# KiCad board fpga.kicad_pcb (continued)
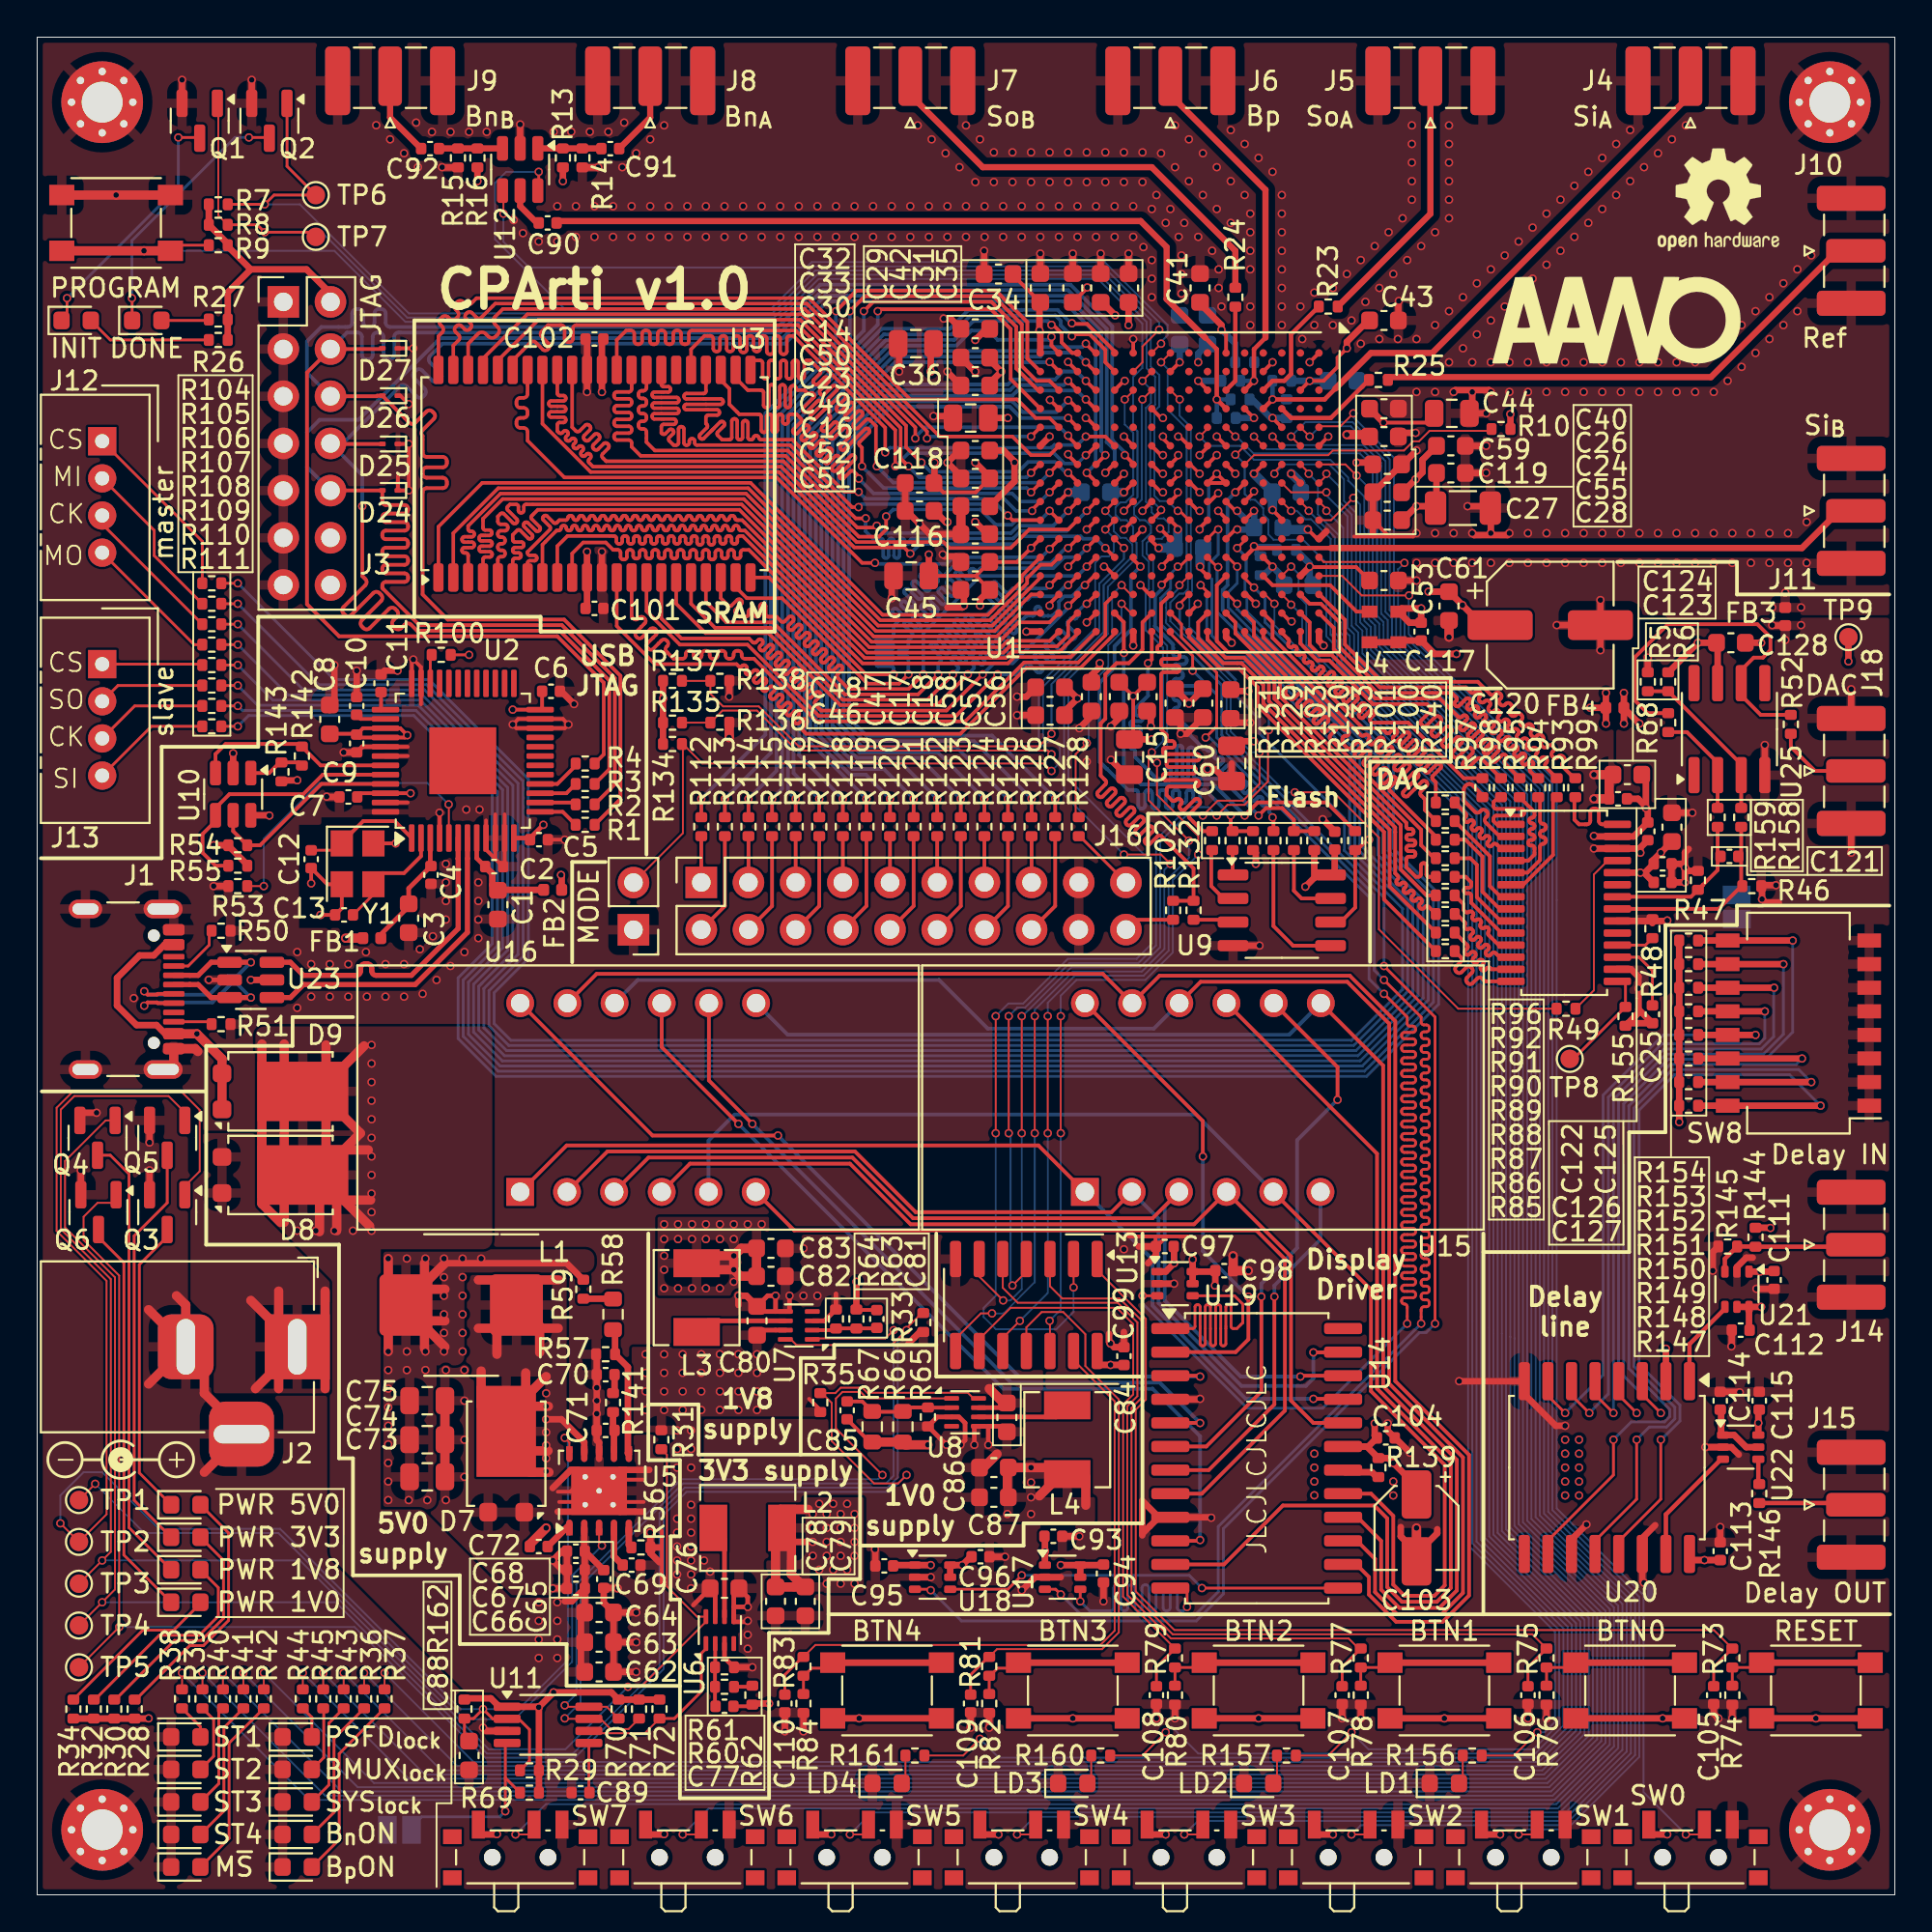
[diagram p0: board, top side]
## Routing (per net, layer and track width the routed paths; a pad name or vN(x,y) marks a point on that pad's centre or on a via; arc(x,y) is an arc through that point) (continued)
DAC_D2: length 22.9
  Top w0.199: R87.1 74.9,53.19 arc(74.81,53.23) 74.73,53.2 74.63,53.1 arc(74.55,53.07) 74.46,53.1 74.42,53.15 arc(74.39,53.23) 74.42,53.32 74.51,53.41 arc(74.55,53.49) 74.51,53.58 74.47,53.62 arc(74.39,53.65) 74.3,53.62 74.21,53.53 arc(74.13,53.49) 74.04,53.53 74,53.57 arc(73.96,53.65) 74,53.74 74.09,53.83 arc(74.13,53.91) 74.09,54 74.05,54.04 arc(73.96,54.08) 73.88,54.04 73.79,53.95 arc(73.7,53.92) 73.62,53.95 73.58,53.99 arc(73.54,54.08) 73.58,54.16 73.67,54.25 arc(73.7,54.34) 73.67,54.42 73.62,54.47 arc(73.54,54.5) 73.46,54.47 73.4,54.41 arc(73.31,54.37) 73.23,54.41 73.19,54.45 arc(73.15,54.54) 73.19,54.62 73.24,54.68 arc(73.28,54.76) 73.24,54.85 73.1,54.99 73.1,57.46 66.3,64.26 66.3,65.26 64.96,66.6 63.97,66.6 63,67.56 U1.G16
DAC_D3: length 23.2
  Top w0.199: U1.F13 63.5,70.5 63.5,67.49 64.09,66.9 65.09,66.9 66.6,65.38 66.6,64.39 73.4,57.59 73.4,55.2 74.8,53.8 R88.1
DAC_D4: length 22.9
  Top w0.199: U1.F15 64.5,68.5 64.5,67.9 64.51,67.9 66.9,65.51 66.9,64.51 73.7,57.71 73.7,57.5 arc(73.74,57.42) 73.82,57.38 73.97,57.38 arc(74.06,57.35) 74.09,57.26 74.09,57.2 arc(74.06,57.12) 73.97,57.08 73.82,57.08 arc(73.74,57.05) 73.7,56.96 73.7,56.9 arc(73.74,56.82) 73.82,56.78 74.07,56.78 arc(74.16,56.75) 74.19,56.66 74.19,56.6 arc(74.16,56.52) 74.07,56.48 73.82,56.48 arc(73.74,56.45) 73.7,56.36 73.7,56.3 arc(73.74,56.22) 73.82,56.18 74.07,56.18 arc(74.16,56.15) 74.19,56.06 74.19,56 arc(74.16,55.92) 74.07,55.88 73.82,55.88 arc(73.74,55.85) 73.7,55.76 73.7,55.32 74.22,54.8 74.37,54.8 arc(74.45,54.84) 74.49,54.92 74.49,55.42 arc(74.52,55.5) 74.6,55.54 74.66,55.54 arc(74.75,55.5) 74.78,55.42 74.78,54.92 arc(74.82,54.84) 74.9,54.8 R89.1
DAC_D5: length 22.9
  Top w0.199: U1.E16 65,67.84 67.2,65.64 67.2,65.45 arc(67.24,65.37) 67.32,65.33 67.43,65.33 arc(67.51,65.29) 67.55,65.21 67.55,65.14 arc(67.51,65.06) 67.43,65.02 67.32,65.02 arc(67.24,64.98) 67.2,64.9 67.2,64.63 67.46,64.38 arc(67.54,64.34) 67.63,64.38 67.95,64.7 arc(68.04,64.73) 68.13,64.7 68.17,64.65 arc(68.21,64.57) 68.17,64.48 67.85,64.16 arc(67.81,64.07) 67.85,63.98 67.89,63.94 arc(67.98,63.9) 68.07,63.94 68.39,64.26 arc(68.48,64.3) 68.56,64.26 68.61,64.22 arc(68.64,64.13) 68.61,64.04 68.29,63.72 arc(68.25,63.63) 68.29,63.55 68.33,63.5 arc(68.42,63.47) 68.51,63.5 68.83,63.82 arc(68.91,63.86) 69,63.82 69.05,63.78 arc(69.08,63.69) 69.05,63.6 68.73,63.28 arc(68.69,63.2) 68.73,63.11 68.77,63.06 arc(68.86,63.03) 68.95,63.06 69.26,63.38 arc(69.35,63.42) 69.44,63.38 69.48,63.34 arc(69.52,63.25) 69.48,63.16 69.17,62.84 arc(69.13,62.76) 69.17,62.67 69.21,62.63 arc(69.3,62.59) 69.38,62.63 69.7,62.94 arc(69.79,62.98) 69.88,62.94 69.92,62.9 arc(69.96,62.81) 69.92,62.73 69.6,62.41 arc(69.57,62.32) 69.6,62.23 74.5,57.33 74.5,56.5 75.2,55.8 R90.1
DAC_D6: length 22.8
  Top w0.199: R91.1 75.29,56.97 72.82,59.44 arc(72.78,59.53) 72.82,59.63 73.13,59.93 arc(73.17,60.03) 73.13,60.12 73.08,60.17 arc(72.99,60.21) 72.89,60.17 72.59,59.86 arc(72.49,59.82) 72.4,59.86 72.35,59.91 arc(72.31,60) 72.35,60.09 72.66,60.4 arc(72.7,60.49) 72.66,60.59 72.61,60.63 arc(72.52,60.67) 72.43,60.63 72.12,60.33 arc(72.03,60.29) 71.93,60.33 71.89,60.37 arc(71.85,60.47) 71.89,60.56 72.19,60.87 arc(72.23,60.96) 72.19,61.05 72.15,61.1 arc(72.05,61.14) 71.96,61.1 71.65,60.79 arc(71.56,60.75) 71.47,60.79 71.42,60.84 arc(71.38,60.93) 71.42,61.03 71.73,61.33 arc(71.77,61.43) 71.73,61.52 71.68,61.57 arc(71.59,61.61) 71.49,61.57 71.19,61.26 arc(71.09,61.22) 71,61.26 70.95,61.31 arc(70.91,61.4) 70.95,61.49 71.26,61.8 arc(71.3,61.89) 71.26,61.99 71.21,62.03 arc(71.12,62.07) 71.03,62.03 70.72,61.73 arc(70.63,61.69) 70.53,61.73 70.26,61.99 70.26,62.25 arc(70.3,62.35) 70.4,62.39 70.48,62.39 arc(70.57,62.43) 70.61,62.52 70.61,62.58 arc(70.57,62.68) 70.48,62.72 70.4,62.72 arc(70.3,62.76) 70.26,62.85 70.26,63 65.5,67.76 65.5,68.5 U1.E15
DAC_D7: length 22.9
  Top w0.199: U1.D16 66,67.68 71.26,62.42 arc(71.35,62.38) 71.45,62.42 71.45,62.42 arc(71.54,62.46) 71.63,62.42 71.68,62.38 arc(71.72,62.28) 71.68,62.19 arc(71.64,62.1) 71.68,62 71.73,61.96 arc(71.82,61.92) 71.91,61.96 72.23,62.27 arc(72.33,62.31) 72.42,62.27 72.47,62.23 arc(72.5,62.13) 72.47,62.04 72.15,61.72 arc(72.11,61.63) 72.15,61.54 72.19,61.49 arc(72.29,61.45) 72.38,61.49 72.7,61.81 arc(72.79,61.85) 72.89,61.81 72.93,61.76 arc(72.97,61.67) 72.93,61.57 72.61,61.26 arc(72.57,61.16) 72.61,61.07 72.66,61.02 arc(72.75,60.98) 72.85,61.02 73.17,61.34 arc(73.26,61.38) 73.35,61.34 73.4,61.29 arc(73.44,61.2) 73.4,61.11 73.08,60.79 arc(73.04,60.7) 73.08,60.6 73.13,60.56 arc(73.22,60.52) 73.31,60.56 73.63,60.87 arc(73.73,60.91) 73.82,60.87 73.87,60.83 arc(73.9,60.73) 73.87,60.64 73.55,60.32 arc(73.51,60.23) 73.55,60.14 73.59,60.09 arc(73.69,60.05) 73.78,60.09 74.1,60.41 arc(74.19,60.45) 74.29,60.41 74.33,60.36 arc(74.37,60.27) 74.33,60.17 73.54,59.39 arc(73.5,59.29) 73.54,59.2 73.59,59.15 arc(73.68,59.11) 73.78,59.15 74.57,59.94 arc(74.66,59.98) 74.75,59.94 74.8,59.89 arc(74.84,59.8) 74.8,59.71 74.48,59.39 arc(74.44,59.3) 74.48,59.2 74.7,58.98 74.7,58.4 75.29,57.81 R92.1
DAC_D8: length 22.3
  Top w0.199: R93.1 81.2,60.7 arc(81.16,60.81) 81.2,60.91 81.25,60.95 arc(81.29,61.05) 81.25,61.16 81.2,61.21 arc(81.1,61.25) 80.99,61.21 80.95,61.16 arc(80.85,61.12) 80.75,61.16 80.7,61.21 arc(80.65,61.32) 80.7,61.42 80.74,61.46 arc(80.78,61.56) 80.74,61.67 80.69,61.72 arc(80.59,61.76) 80.49,61.72 80.44,61.67 arc(80.34,61.63) 80.24,61.67 80.19,61.72 arc(80.14,61.83) 80.19,61.93 80.23,61.97 arc(80.27,62.07) 80.23,62.17 80.18,62.23 arc(80.08,62.27) 79.98,62.23 79.93,62.18 arc(79.83,62.14) 79.73,62.18 79.68,62.23 arc(79.64,62.33) 79.68,62.44 79.72,62.48 arc(79.76,62.58) 79.72,62.68 79.67,62.73 arc(79.57,62.78) 79.47,62.73 79.42,62.69 arc(79.32,62.65) 79.22,62.69 79.17,62.74 arc(79.13,62.84) 79.17,62.95 79.21,62.99 arc(79.25,63.09) 79.21,63.19 79.16,63.24 arc(79.06,63.29) 78.96,63.24 78.91,63.2 arc(78.81,63.16) 78.71,63.2 78.66,63.25 arc(78.62,63.35) 78.66,63.45 78.7,63.5 arc(78.75,63.6) 78.7,63.7 78.65,63.75 arc(78.55,63.79) 78.45,63.75 78.4,63.71 arc(78.3,63.67) 78.2,63.71 78.15,63.76 arc(78.11,63.86) 78.15,63.96 78.19,64.01 arc(78.24,64.11) 78.19,64.21 78.14,64.26 arc(78.04,64.3) 77.94,64.26 77.9,64.22 arc(77.79,64.18) 77.69,64.22 77.64,64.27 arc(77.6,64.37) 77.64,64.47 77.69,64.52 arc(77.73,64.62) 77.69,64.72 77.63,64.77 arc(77.53,64.81) 77.43,64.77 77.39,64.73 arc(77.28,64.68) 77.18,64.73 76.91,65 72.28,65 70.1,67.18 70.1,68.5 69.1,69.5 68.5,69.5 U1.B14
DAC_D9: length 22.9
  Top w0.199: U1.A15 69.8,68.2 69.8,67.05 72.15,64.7 76.15,64.7 76.39,64.46 arc(76.43,64.37) 76.39,64.29 76.32,64.21 arc(76.29,64.13) 76.32,64.05 76.37,64 arc(76.45,63.97) 76.54,64 76.92,64.39 arc(77,64.42) 77.09,64.39 77.13,64.34 arc(77.16,64.26) 77.13,64.17 76.99,64.03 arc(76.95,63.95) 76.99,63.86 77.03,63.82 arc(77.11,63.78) 77.2,63.82 77.34,63.96 arc(77.43,64) 77.51,63.96 77.55,63.92 arc(77.59,63.83) 77.55,63.75 77.41,63.61 arc(77.38,63.52) 77.41,63.44 77.45,63.4 arc(77.54,63.36) 77.62,63.4 77.76,63.54 arc(77.85,63.57) 77.93,63.54 77.98,63.5 arc(78.01,63.41) 77.98,63.33 77.83,63.18 arc(77.8,63.1) 77.83,63.02 77.88,62.97 arc(77.96,62.94) 78.05,62.97 78.19,63.11 arc(78.27,63.15) 78.36,63.11 78.4,63.07 arc(78.43,62.99) 78.4,62.9 78.26,62.76 arc(78.22,62.68) 78.26,62.59 78.3,62.55 arc(78.38,62.51) 78.47,62.55 78.61,62.69 arc(78.7,62.73) 78.78,62.69 78.82,62.65 arc(78.86,62.56) 78.82,62.48 78.68,62.34 arc(78.65,62.25) 78.68,62.17 78.72,62.13 arc(78.81,62.09) 78.89,62.13 79.07,62.3 arc(79.15,62.34) 79.24,62.3 79.28,62.26 arc(79.32,62.18) 79.28,62.09 79.1,61.91 arc(79.07,61.83) 79.1,61.75 79.15,61.7 arc(79.23,61.67) 79.32,61.7 79.46,61.84 arc(79.54,61.88) 79.63,61.84 79.67,61.8 arc(79.71,61.72) 79.67,61.63 79.53,61.49 arc(79.49,61.41) 79.53,61.32 79.57,61.28 arc(79.66,61.24) 79.74,61.28 79.88,61.42 arc(79.97,61.46) 80.05,61.42 80.09,61.38 arc(80.13,61.29) 80.09,61.21 79.95,61.07 arc(79.92,60.98) 79.95,60.9 79.99,60.86 arc(80.08,60.82) 80.16,60.86 80.31,61 arc(80.39,61.03) 80.47,61 80.52,60.96 arc(80.55,60.87) 80.52,60.79 80.38,60.64 arc(80.34,60.56) 80.38,60.47 80.74,60.11 R94.1
DAC_D10: length 22.9
  Top w0.199: U1.B15 68.5,68.5 68.5,67.29 69.04,66.75 69.68,66.75 72.03,64.4 75.51,64.4 76.51,63.4 arc(76.59,63.37) 76.68,63.4 76.75,63.47 arc(76.83,63.51) 76.92,63.47 76.96,63.43 arc(76.99,63.35) 76.96,63.26 76.61,62.92 arc(76.58,62.83) 76.61,62.75 76.66,62.71 arc(76.74,62.67) 76.83,62.71 77.17,63.05 arc(77.25,63.08) 77.34,63.05 77.38,63.01 arc(77.42,62.92) 77.38,62.84 77.04,62.49 arc(77,62.41) 77.04,62.32 77.08,62.28 arc(77.16,62.25) 77.25,62.28 77.59,62.63 arc(77.68,62.66) 77.76,62.63 77.8,62.58 arc(77.84,62.5) 77.8,62.41 77.46,62.07 arc(77.43,61.99) 77.46,61.9 77.5,61.86 arc(77.59,61.82) 77.67,61.86 78.02,62.2 arc(78.1,62.24) 78.19,62.2 78.23,62.16 arc(78.26,62.08) 78.23,61.99 77.88,61.65 arc(77.85,61.56) 77.88,61.48 77.93,61.43 arc(78.01,61.4) 78.1,61.43 78.44,61.78 arc(78.52,61.81) 78.61,61.78 78.65,61.74 arc(78.69,61.65) 78.65,61.57 78.31,61.22 arc(78.27,61.14) 78.31,61.05 78.35,61.01 arc(78.43,60.98) 78.52,61.01 78.86,61.36 arc(78.95,61.39) 79.03,61.36 79.07,61.31 arc(79.11,61.23) 79.07,61.14 79,61.07 arc(78.97,60.99) 79,60.91 R95.1
DAC_D11: length 22.9
  Top w0.199: R96.1 75.29,59.89 75.12,60.06 arc(75.09,60.14) 75.12,60.22 75.55,60.66 arc(75.59,60.74) 75.55,60.83 75.51,60.87 arc(75.43,60.9) 75.34,60.87 74.91,60.44 arc(74.82,60.4) 74.74,60.44 74.7,60.48 arc(74.66,60.56) 74.7,60.65 75.13,61.08 arc(75.16,61.16) 75.13,61.25 75.09,61.29 arc(75,61.33) 74.92,61.29 74.49,60.86 arc(74.4,60.82) 74.32,60.86 74.27,60.9 arc(74.24,60.99) 74.27,61.07 74.71,61.5 arc(74.74,61.59) 74.71,61.67 74.66,61.71 arc(74.58,61.75) 74.49,61.71 74.06,61.28 arc(73.98,61.25) 73.89,61.28 73.85,61.33 arc(73.82,61.41) 73.85,61.5 74.28,61.93 arc(74.32,62.01) 74.28,62.1 74.24,62.14 arc(74.16,62.17) 74.07,62.14 73.64,61.71 arc(73.55,61.67) 73.47,61.71 73.43,61.75 arc(73.39,61.83) 73.43,61.92 73.86,62.35 arc(73.89,62.43) 73.86,62.52 73.82,62.56 arc(73.73,62.6) 73.65,62.56 73.22,62.13 arc(73.13,62.1) 73.05,62.13 73,62.17 arc(72.97,62.26) 73,62.34 73.19,62.53 arc(73.22,62.61) 73.19,62.69 73.15,62.74 arc(73.06,62.77) 72.98,62.74 72.79,62.55 arc(72.71,62.52) 72.62,62.55 72.38,62.8 71.36,62.8 66.5,67.66 66.5,68.5 U1.D15
DAC_D12: length 22.9
  Top w0.199: U1.C16 67,67.94 67.37,67.57 arc(67.4,67.49) 67.37,67.4 67.36,67.4 arc(67.33,67.31) 67.36,67.23 67.4,67.19 arc(67.49,67.15) 67.57,67.19 67.58,67.19 arc(67.66,67.23) 67.75,67.19 67.79,67.15 arc(67.83,67.07) 67.79,66.98 67.78,66.97 arc(67.75,66.89) 67.78,66.81 67.83,66.76 arc(67.91,66.73) 68,66.76 68,66.77 arc(68.09,66.8) 68.17,66.77 68.21,66.73 arc(68.25,66.64) 68.21,66.56 68.21,66.55 arc(68.17,66.47) 68.21,66.38 68.25,66.34 arc(68.33,66.3) 68.42,66.34 68.43,66.35 arc(68.51,66.38) 68.59,66.35 68.64,66.3 arc(68.67,66.22) 68.64,66.13 68.63,66.13 arc(68.6,66.04) 68.63,65.96 68.67,65.92 arc(68.76,65.88) 68.84,65.92 69.02,66.1 arc(69.11,66.13) 69.19,66.1 69.24,66.06 arc(69.27,65.97) 69.24,65.89 69.05,65.7 arc(69.02,65.62) 69.05,65.53 69.1,65.49 arc(69.18,65.46) 69.27,65.49 69.59,65.82 arc(69.67,65.85) 69.76,65.82 69.8,65.77 arc(69.84,65.69) 69.8,65.61 69.48,65.28 arc(69.44,65.2) 69.48,65.11 69.52,65.07 arc(69.6,65.03) 69.69,65.07 70.01,65.39 arc(70.1,65.43) 70.18,65.39 70.22,65.35 arc(70.26,65.27) 70.22,65.18 69.9,64.86 arc(69.87,64.77) 69.9,64.69 69.94,64.65 arc(70.03,64.61) 70.11,64.65 70.44,64.97 arc(70.52,65.01) 70.61,64.97 70.65,64.93 arc(70.68,64.84) 70.65,64.76 70.32,64.43 arc(70.29,64.35) 70.32,64.26 70.37,64.22 arc(70.45,64.19) 70.54,64.22 70.86,64.55 arc(70.94,64.58) 71.03,64.55 71.07,64.5 arc(71.11,64.42) 71.07,64.33 70.75,64.01 arc(70.71,63.93) 70.75,63.84 70.79,63.8 arc(70.87,63.76) 70.96,63.8 71.28,64.12 arc(71.37,64.16) 71.45,64.12 71.5,64.08 arc(71.53,64) 71.5,63.91 71.17,63.59 arc(71.14,63.5) 71.17,63.42 71.21,63.38 arc(71.3,63.34) 71.38,63.38 71.74,63.74 arc(71.83,63.77) 71.91,63.74 71.95,63.69 arc(71.99,63.61) 71.95,63.52 71.77,63.34 arc(71.74,63.26) 71.77,63.17 71.84,63.1 73.8,63.1 76.79,60.11 R97.1
DAC_D13: length 22.9
  Top w0.199: U1.B16 68,67.36 68.92,66.45 69.56,66.45 71.91,64.1 74.81,64.1 74.98,63.93 arc(75.03,63.81) 74.98,63.7 74.51,63.23 arc(74.47,63.12) 74.51,63.01 74.57,62.95 arc(74.68,62.9) 74.8,62.95 75.27,63.42 arc(75.38,63.46) 75.49,63.42 75.55,63.36 arc(75.6,63.25) 75.55,63.13 75.08,62.67 arc(75.03,62.55) 75.08,62.44 75.14,62.38 arc(75.25,62.34) 75.36,62.38 75.83,62.85 arc(75.94,62.9) 76.06,62.85 76.11,62.8 arc(76.16,62.68) 76.11,62.57 75.65,62.1 arc(75.6,61.99) 75.65,61.87 75.7,61.82 arc(75.82,61.77) 75.93,61.82 76.4,62.29 arc(76.51,62.33) 76.62,62.29 76.68,62.23 arc(76.73,62.12) 76.68,62 76.21,61.53 arc(76.16,61.42) 76.21,61.31 76.27,61.25 arc(76.38,61.2) 76.49,61.25 76.96,61.72 arc(77.08,61.77) 77.19,61.72 77.25,61.66 arc(77.29,61.55) 77.25,61.44 76.78,60.97 arc(76.73,60.86) 76.78,60.74 76.83,60.69 arc(76.95,60.64) 77.06,60.69 77.53,61.16 arc(77.64,61.2) 77.75,61.16 R98.1
DAC_MODE: length 37.2
  Top w0.1: v1(67.7,59.35) 69.79,59.35 71.89,57.25 72.23,56.91 72.23,51.97 76.5,47.7 R49.1 ; U1.H13 61.99,71 v1(61.49,70.5)
  Bottom w0.1: 60.77,68.6 60.77,68.53 ; 60.77,68.6 60.77,68.47 64.02,65.22 64.02,62.53 67.2,59.35 v1(67.7,59.35) ; 60.77,68.6 60.77,69.66 61.49,70.38 v1(61.49,70.5)
FPGA_CFG_CS: length 29.6
  Top w0.199: R103.1 R129.1 64.25,57.36 v1(64.25,58.1) ; U1.L12 59,71.89 v1(59.39,71.5)
  Bottom w0.199: v1(64.25,58.1) 62.87,59.48 62.75,59.48 arc(62.65,59.43) 62.6,59.33 62.6,59.03 arc(62.56,58.92) 62.45,58.88 62.38,58.88 arc(62.28,58.92) 62.23,59.03 62.23,59.33 arc(62.19,59.43) 62.08,59.48 62.01,59.48 arc(61.91,59.43) 61.86,59.33 61.86,58.93 arc(61.82,58.82) 61.71,58.78 61.64,58.78 arc(61.54,58.82) 61.49,58.93 61.49,59.33 arc(61.45,59.43) 61.34,59.48 61.27,59.48 arc(61.17,59.43) 61.12,59.33 61.12,58.63 arc(61.08,58.52) 60.97,58.48 60.9,58.48 arc(60.8,58.52) 60.75,58.63 60.75,59.33 arc(60.71,59.43) 60.6,59.48 60.53,59.48 arc(60.43,59.43) 60.38,59.33 60.38,58.63 arc(60.34,58.52) 60.23,58.48 60.16,58.48 arc(60.06,58.52) 60.01,58.63 60.01,59.33 arc(59.97,59.43) 59.86,59.48 59.79,59.48 arc(59.69,59.43) 59.64,59.33 59.64,58.63 arc(59.6,58.52) 59.49,58.48 59.42,58.48 arc(59.32,58.52) 59.27,58.63 59.27,59.33 arc(59.23,59.43) 59.12,59.48 58.72,59.48 57.6,60.6 57.59,60.6 57.2,60.99 57.2,65.27 58,66.06 58,67.21 58.88,68.1 58.88,70.99 v1(59.39,71.5)
FPGA_CFG_D0: length 27.1
  Top w0.199: v1(60.53,70.52) 61,70.99 U1.J13 ; v1(66.5,58) 66.55,57.95 R130.1
  Bottom w0.199: v1(66.5,58) 66.5,58.1 66.34,58.26 arc(66.31,58.34) 66.34,58.43 66.36,58.45 arc(66.4,58.53) 66.36,58.62 66.32,58.66 arc(66.24,58.69) 66.15,58.66 66.13,58.64 arc(66.04,58.6) 65.96,58.64 65.92,58.68 arc(65.88,58.76) 65.92,58.85 65.94,58.87 arc(65.97,58.96) 65.94,59.04 65.9,59.08 arc(65.81,59.12) 65.73,59.08 65.54,58.9 arc(65.47,58.87) 65.39,58.9 65.33,58.95 arc(65.3,59.03) 65.33,59.11 65.52,59.29 arc(65.55,59.38) 65.52,59.46 65.47,59.51 arc(65.39,59.54) 65.3,59.51 65.12,59.32 arc(65.04,59.29) 64.96,59.32 64.91,59.38 arc(64.88,59.46) 64.91,59.53 65.09,59.72 arc(65.13,59.8) 65.09,59.89 65.05,59.93 arc(64.97,59.96) 64.88,59.93 64.7,59.75 arc(64.62,59.71) 64.54,59.75 64.48,59.8 arc(64.45,59.88) 64.48,59.96 64.67,60.14 arc(64.7,60.23) 64.67,60.31 64.63,60.35 arc(64.54,60.39) 64.46,60.35 64.27,60.17 arc(64.2,60.14) 64.12,60.17 64.06,60.22 arc(64.03,60.3) 64.06,60.38 64.25,60.56 arc(64.28,60.65) 64.25,60.73 64.2,60.78 arc(64.12,60.81) 64.03,60.78 63.79,60.53 arc(63.7,60.49) 63.62,60.53 63.57,60.57 arc(63.54,60.66) 63.57,60.74 63.82,60.99 arc(63.86,61.07) 63.82,61.16 63.78,61.2 arc(63.7,61.23) 63.61,61.2 63.59,61.18 arc(63.5,61.14) 63.42,61.18 63.38,61.22 arc(63.34,61.31) 63.38,61.39 63.4,61.41 arc(63.43,61.5) 63.4,61.58 63.36,61.62 arc(63.27,61.66) 63.19,61.62 63.17,61.6 arc(63.08,61.57) 63,61.6 62.9,61.69 62.79,61.69 62.05,62.43 62.05,62.71 61.15,63.61 61.15,63.75 arc(61.2,63.86) 61.31,63.91 61.32,63.91 arc(61.43,63.95) 61.48,64.06 61.48,64.14 arc(61.43,64.25) 61.32,64.3 61.31,64.3 arc(61.2,64.34) 61.15,64.45 61.15,64.53 arc(61.2,64.64) 61.31,64.69 62.52,64.69 arc(62.63,64.73) 62.68,64.84 62.68,64.92 arc(62.63,65.03) 62.52,65.08 61.31,65.08 arc(61.2,65.12) 61.15,65.23 61.15,65.31 arc(61.2,65.42) 61.31,65.47 61.52,65.47 arc(61.63,65.51) 61.68,65.62 61.68,65.7 arc(61.63,65.81) 61.52,65.86 61.31,65.86 arc(61.2,65.9) 61.15,66.01 61.15,66.09 arc(61.2,66.2) 61.31,66.25 61.72,66.25 arc(61.83,66.29) 61.88,66.4 61.88,66.48 arc(61.83,66.59) 61.72,66.64 61.31,66.64 arc(61.2,66.68) 61.15,66.79 61.15,67.31 60.17,68.29 60.17,69.91 60.53,70.28 v1(60.53,70.52)
FPGA_CFG_D1: length 31.6
  Top w0.199: U1.J14 60.5,69.5 60.5,67.49 60.5,67.51 60.5,67.35 arc(60.47,67.28) 60.4,67.25 arc(60.33,67.22) 60.3,67.15 60.3,66.99 arc(60.33,66.92) 60.4,66.89 61.36,66.89 arc(61.46,66.85) 61.5,66.75 61.5,66.68 arc(61.46,66.58) 61.36,66.53 60.64,66.53 arc(60.54,66.49) 60.5,66.39 60.5,66.32 arc(60.54,66.22) 60.64,66.17 61.36,66.17 arc(61.46,66.13) 61.5,66.03 61.5,65.96 arc(61.46,65.86) 61.36,65.81 60.64,65.81 arc(60.54,65.77) 60.5,65.67 60.5,62.74 60.8,62.44 60.8,62.25 arc(60.84,62.15) 60.94,62.11 61.09,62.11 arc(61.19,62.07) 61.23,61.97 61.23,61.9 arc(61.19,61.8) 61.09,61.76 60.7,61.76 arc(60.63,61.73) 60.6,61.66 60.6,61.51 arc(60.63,61.44) 60.7,61.41 62.44,61.41 arc(62.54,61.37) 62.58,61.27 62.58,61.2 arc(62.54,61.1) 62.44,61.06 60.94,61.06 arc(60.84,61.02) 60.8,60.92 60.8,60.85 arc(60.84,60.75) 60.94,60.71 62.24,60.71 arc(62.34,60.67) 62.38,60.57 62.38,60.5 arc(62.34,60.4) 62.24,60.36 60.7,60.36 arc(60.63,60.33) 60.6,60.26 60.6,60.11 arc(60.63,60.04) 60.7,60.01 62.41,60.01 arc(62.51,59.97) 62.55,59.87 62.55,59.8 arc(62.51,59.7) 62.41,59.66 60.94,59.66 arc(60.84,59.62) 60.8,59.52 60.8,59.2 61.08,58.92 arc(61.18,58.88) 61.28,58.92 61.33,58.97 arc(61.43,59.01) 61.53,58.97 61.58,58.92 arc(61.62,58.82) 61.58,58.72 61.53,58.67 arc(61.49,58.57) 61.53,58.47 61.58,58.42 arc(61.68,58.38) 61.78,58.42 62.32,58.97 arc(62.42,59.01) 62.52,58.97 62.57,58.92 arc(62.61,58.82) 62.57,58.72 62.02,58.17 arc(61.98,58.08) 62.02,57.98 62.74,57.26 R131.1
FPGA_CFG_D2: length 29.1
  Top w0.199: R132.1 R102.1 ; R132.1 62.25,55.25 60.51,56.99 arc(60.41,57.03) 60.31,56.99 59.9,56.58 arc(59.8,56.53) 59.7,56.58 59.65,56.63 arc(59.6,56.73) 59.65,56.83 60.06,57.24 arc(60.1,57.34) 60.06,57.44 60,57.5 arc(59.9,57.54) 59.8,57.5 59.39,57.09 arc(59.29,57.04) 59.19,57.09 59.14,57.14 arc(59.1,57.24) 59.14,57.34 59.55,57.75 arc(59.59,57.85) 59.55,57.95 59.5,58 arc(59.39,58.05) 59.29,58 58.88,57.6 arc(58.78,57.55) 58.68,57.6 58.63,57.65 arc(58.59,57.75) 58.63,57.85 59.04,58.26 arc(59.08,58.36) 59.04,58.46 58.99,58.51 arc(58.88,58.56) 58.78,58.51 58.37,58.1 arc(58.27,58.06) 58.17,58.1 58.12,58.16 arc(58.08,58.26) 58.12,58.36 58.53,58.77 arc(58.57,58.87) 58.53,58.97 58.48,59.02 arc(58.38,59.06) 58.27,59.02 57.86,58.61 arc(57.76,58.57) 57.66,58.61 57.61,58.66 arc(57.57,58.77) 57.61,58.87 58.02,59.28 arc(58.06,59.38) 58.02,59.48 57.97,59.53 arc(57.87,59.57) 57.76,59.53 57.36,59.12 arc(57.25,59.08) 57.15,59.12 57.1,59.17 arc(57.06,59.28) 57.1,59.38 57.51,59.79 arc(57.55,59.89) 57.51,59.99 57.25,60.25 57.25,63.06 57.5,63.31 57.5,65.7 58.1,66.3 58.76,66.3 59.5,67.04 59.5,68.5 U1.K15 ; R132.1 62.25,53.51
FPGA_CFG_D3: length 29.6
  Top w0.199: v1(65.75,58.1) 66.15,58.5 67.02,58.5 67.65,57.88 R133.1 R101.1 ; U1.K16 60,66.5 v1(59.8,66.3)
  Bottom w0.199: v1(65.75,58.1) 63.77,60.08 62.4,60.08 arc(62.31,60.11) 62.27,60.2 62.27,61.64 arc(62.24,61.73) 62.15,61.77 62.09,61.77 arc(62,61.73) 61.96,61.64 61.96,60.2 arc(61.93,60.11) 61.84,60.08 61.78,60.08 arc(61.69,60.11) 61.65,60.2 61.65,61.74 arc(61.62,61.83) 61.53,61.87 61.47,61.87 arc(61.38,61.83) 61.34,61.74 61.34,60.2 arc(61.31,60.11) 61.22,60.08 61.16,60.08 arc(61.07,60.11) 61.03,60.2 61.03,60.54 arc(61,60.63) 60.91,60.67 60.85,60.67 arc(60.76,60.63) 60.72,60.54 60.72,60.2 arc(60.69,60.11) 60.6,60.08 60.27,60.08 59.1,61.25 59.1,61.56 arc(59.06,61.65) 58.98,61.68 58.95,61.68 arc(58.87,61.72) 58.83,61.8 58.83,61.86 arc(58.87,61.95) 58.95,61.98 59.3,61.98 arc(59.38,62.02) 59.42,62.1 59.42,62.16 arc(59.38,62.25) 59.3,62.28 58.95,62.28 arc(58.87,62.32) 58.83,62.4 58.83,62.46 arc(58.87,62.55) 58.95,62.58 59.3,62.58 arc(59.38,62.62) 59.42,62.7 59.42,62.76 arc(59.38,62.85) 59.3,62.88 58.95,62.88 arc(58.87,62.92) 58.83,63 58.83,63.06 arc(58.87,63.15) 58.95,63.18 59.4,63.18 arc(59.48,63.22) 59.52,63.3 59.52,63.36 arc(59.48,63.45) 59.4,63.48 59.22,63.48 arc(59.13,63.52) 59.1,63.6 59.1,63.85 59.8,64.55 v1(59.8,66.3)
FPGA_CFG_SCK: length 28.7
  Top w0.199: v1(71.7,56.8) 71.6,56.8 71.04,56.24 R140.1 70.95,53.15 70.16,52.36 U9.6 ; U1.E8 v1(64.5,75.5)
  Bottom w0.199: v1(64.5,75.5) 64.08,75.08 64.08,70.51 63.82,70.25 63.82,69.18 71.7,61.3 v1(71.7,56.8)
GCLK_24MHz: length 6.5
  Top w0.199: U4.3 71.03,69.08 69.6,70.5 66.5,70.5 U1.D13
HF_Bn_50Ohm: length 5.2
  Top w0.235: NT1.1 63.5,83.2 v1(63.5,80.5) U1.F4
  Bottom w0.235: R12.1 v1(63.5,80.5) R11.2
HF_Bn_ctrl_V1: length 42.5
  Top w0.1: v1(60.5,83.5) U1.K1 ; U12.4 25.1,91.69 v1(25.1,90.5)
  Bottom w0.1: v1(25.1,90.5) 25.1,88.99 26.49,87.6 41.4,87.6 41.69,87.89 57.47,87.89 60.85,84.5 60.85,83.95 60.5,83.6 v1(60.5,83.5) 60.46,83.5
HF_Bn_ctrl_V2: length 49.4
  Top w0.1: v1(60.4,84.25) 59.5,83.35 59.5,82.5 U1.L2
  Top w0.15: 27,91.74 v1(27,92.75)
  Bottom w0.1: v1(27,92.75) 25.25,92.75 24.65,92.15 24.65,89.12 28.41,85.36 39.48,85.36 41.79,87.66 57.37,87.66 60.4,84.64 v1(60.4,84.25)
HF_Bp_50Ohm: length 4.2
  Top w0.235: U1.E3 v1(65.5,81.5) 65.5,83.2 NT2.1
  Bottom w0.235: R18.1 v1(65.5,81.5) 65.5,82.49 R17.2
HF_Ref_50Ohm: length 5.7
  Top w0.235: U1.C4 67.5,79.5 69.64,79.5 R25.2
HF_Si_A_50Ohm: length 5.3
  Top w0.235: U1.D4 v1(66.5,80.5) 69.3,80.5 NT3.1
  Bottom w0.235: R19.2 66.5,81.49 v1(66.5,80.5) 67.24,80.5 R20.1
HF_Si_B_50Ohm: length 6.3
  Top w0.235: U1.E12 65.5,72.5 v1(65.5,72.6) 65.6,72.5 NT4.1
  Bottom w0.235: R21.2 66.54,72.6 v1(65.5,72.6) 65.65,72.45 65.65,72.15 65.74,72.06 R22.1
HF_So_A_50Ohm: length 6.1
  Top w0.235: U1.D3 66.5,81.5 67.13,81.5 67.5,81.87 67.5,84.01 R23.2
HF_So_B_50Ohm: length 4.7
  Top w0.235: U1.F3 64.5,81.5 R24.2
JTAG_TCK: length 102.3
  Top w0.199: J3.6 18.27,80.67 18.3,80.7 D26.2 20.04,79.24 arc(20.2,79.18) 20.35,79.24 20.96,79.85 arc(21.12,79.91) 21.28,79.85 21.36,79.77 arc(21.42,79.61) 21.36,79.45 20.75,78.85 arc(20.68,78.69) 20.75,78.53 20.75,77.63 arc(20.82,77.47) 20.97,77.4 21.83,77.4 arc(21.99,77.34) 22.05,77.18 22.05,77.07 arc(21.99,76.91) 21.83,76.84 20.97,76.84 arc(20.82,76.78) 20.75,76.62 20.75,76.51 arc(20.82,76.35) 20.97,76.28 21.83,76.28 arc(21.99,76.22) 22.05,76.06 22.05,75.95 arc(21.99,75.79) 21.83,75.72 20.97,75.72 arc(20.82,75.66) 20.75,75.5 20.75,70 22.1,68.65 28.37,68.65 31.4,65.62 31.4,58.99 R1.2 ; v1(58.55,77.5) 58.5,77.5 58.5,77.55 v1(58.55,77.5) ; v1(58.55,77.5) 59,77.05 U1.L7
  Bottom w0.199: v1(58.55,77.5) 58.55,77.65 57.87,78.32 57.87,84.43 55.62,86.68 42.16,86.68 39.87,84.4 19,84.4 arc(18.83,84.47) 18.76,84.64 18.76,85.12 arc(18.69,85.29) 18.52,85.36 18.4,85.36 arc(18.23,85.29) 18.16,85.12 18.16,84.64 arc(18.09,84.47) 17.92,84.4 17.8,84.4 arc(17.63,84.47) 17.56,84.64 17.56,85.12 arc(17.49,85.29) 17.32,85.36 17.2,85.36 arc(17.03,85.29) 16.96,85.12 16.96,84.64 arc(16.89,84.47) 16.72,84.4 15.3,84.4 14.53,83.62 14.53,81.94 J3.6
JTAG_TDI: length 99.9
  Top w0.148: 18.5,75.6 18.49,75.59
  Top w0.199: J3.10 15.8,75.6 D24.2 18.58,75 arc(18.63,74.87) 18.76,74.82 19.78,74.82 arc(19.91,74.76) 19.97,74.63 19.97,74.54 arc(19.91,74.41) 19.78,74.36 18.76,74.36 arc(18.63,74.3) 18.58,74.17 18.58,74.08 arc(18.63,73.95) 18.76,73.9 19.78,73.9 arc(19.91,73.84) 19.97,73.71 19.97,73.62 arc(19.91,73.49) 19.78,73.44 18.76,73.44 arc(18.63,73.38) 18.58,73.25 18.58,73.16 arc(18.63,73.03) 18.76,72.98 19.78,72.98 arc(19.91,72.92) 19.97,72.79 19.97,72.7 arc(19.91,72.57) 19.78,72.52 18.76,72.52 arc(18.63,72.46) 18.58,72.33 18.58,72.24 arc(18.63,72.11) 18.76,72.06 19.78,72.06 arc(19.91,72) 19.97,71.87 19.97,71.78 arc(19.91,71.65) 19.78,71.6 18.76,71.6 arc(18.63,71.54) 18.58,71.41 18.58,71.32 arc(18.63,71.19) 18.76,71.14 19.78,71.14 arc(19.91,71.08) 19.97,70.95 19.97,70.86 arc(19.91,70.73) 19.78,70.68 18.76,70.68 arc(18.63,70.62) 18.58,70.49 18.58,70.34 20.57,68.35 28.25,68.35 31.1,65.5 31.1,59.79 R2.2 ; U1.N7 v1(57.5,77.5)
  Bottom w0.199: v1(57.5,77.5) 57.27,77.73 57.27,84.18 55.37,86.08 42.42,86.08 40.13,83.8 21.7,83.8 17.3,79.4 15.2,79.4 14.53,78.72 14.53,76.86 J3.10
JTAG_TDO: length 98.4
  Top w0.199: R3.2 30.8,60.59 30.8,65.37 28.12,68.05 20.45,68.05 20.12,68.38 arc(19.96,68.45) 19.79,68.38 19.6,68.19 arc(19.43,68.12) 19.26,68.19 19.18,68.28 arc(19.11,68.44) 19.18,68.61 19.36,68.8 arc(19.43,68.97) 19.36,69.14 19.28,69.22 arc(19.11,69.29) 18.94,69.22 17.9,68.19 arc(17.73,68.12) 17.56,68.19 17.48,68.28 arc(17.41,68.44) 17.48,68.61 18.51,69.65 arc(18.58,69.82) 18.51,69.99 18.43,70.07 arc(18.26,70.14) 18.09,70.07 16.91,68.9 arc(16.74,68.83) 16.57,68.9 16.49,68.98 arc(16.42,69.15) 16.49,69.32 17.66,70.5 arc(17.73,70.67) 17.66,70.84 17.5,71 v1(17.5,74.75) ; D25.2 15.82,78.1 J3.8 ; v1(56.5,76.55) 57,76.05 U1.N8
  Bottom w0.199: v1(17.5,74.75) 17.5,76.42 J3.8 16.45,78.13 19.54,81.21 arc(19.71,81.28) 19.88,81.21 20.44,80.65 arc(20.6,80.58) 20.77,80.65 20.86,80.74 arc(20.93,80.91) 20.86,81.08 20.3,81.64 arc(20.23,81.81) 20.3,81.98 20.39,82.06 arc(20.55,82.13) 20.72,82.06 21.28,81.5 arc(21.45,81.43) 21.62,81.5 21.71,81.59 arc(21.78,81.76) 21.71,81.93 21.15,82.49 arc(21.08,82.66) 21.15,82.83 21.82,83.5 40.26,83.5 42.54,85.78 55.25,85.78 56.97,84.06 56.97,77.02 v1(56.5,76.55)
